# Altium PCB DI544.PcbDoc (part 7 of 7)
Units mil, origin at the board's own origin, x right, y up, seen from the top; angles counter-clockwise.
Board outline 8666.42 x 9192.01 mil, 4 copper layers (Top Layer, Mid-Layer 1, Mid-Layer 2, Bottom Layer), stack 35.6 mil thick; 830 components, 583 nets, 2837 pads, 1326 vias.
Unrouted connection lines stored in the file: 629.
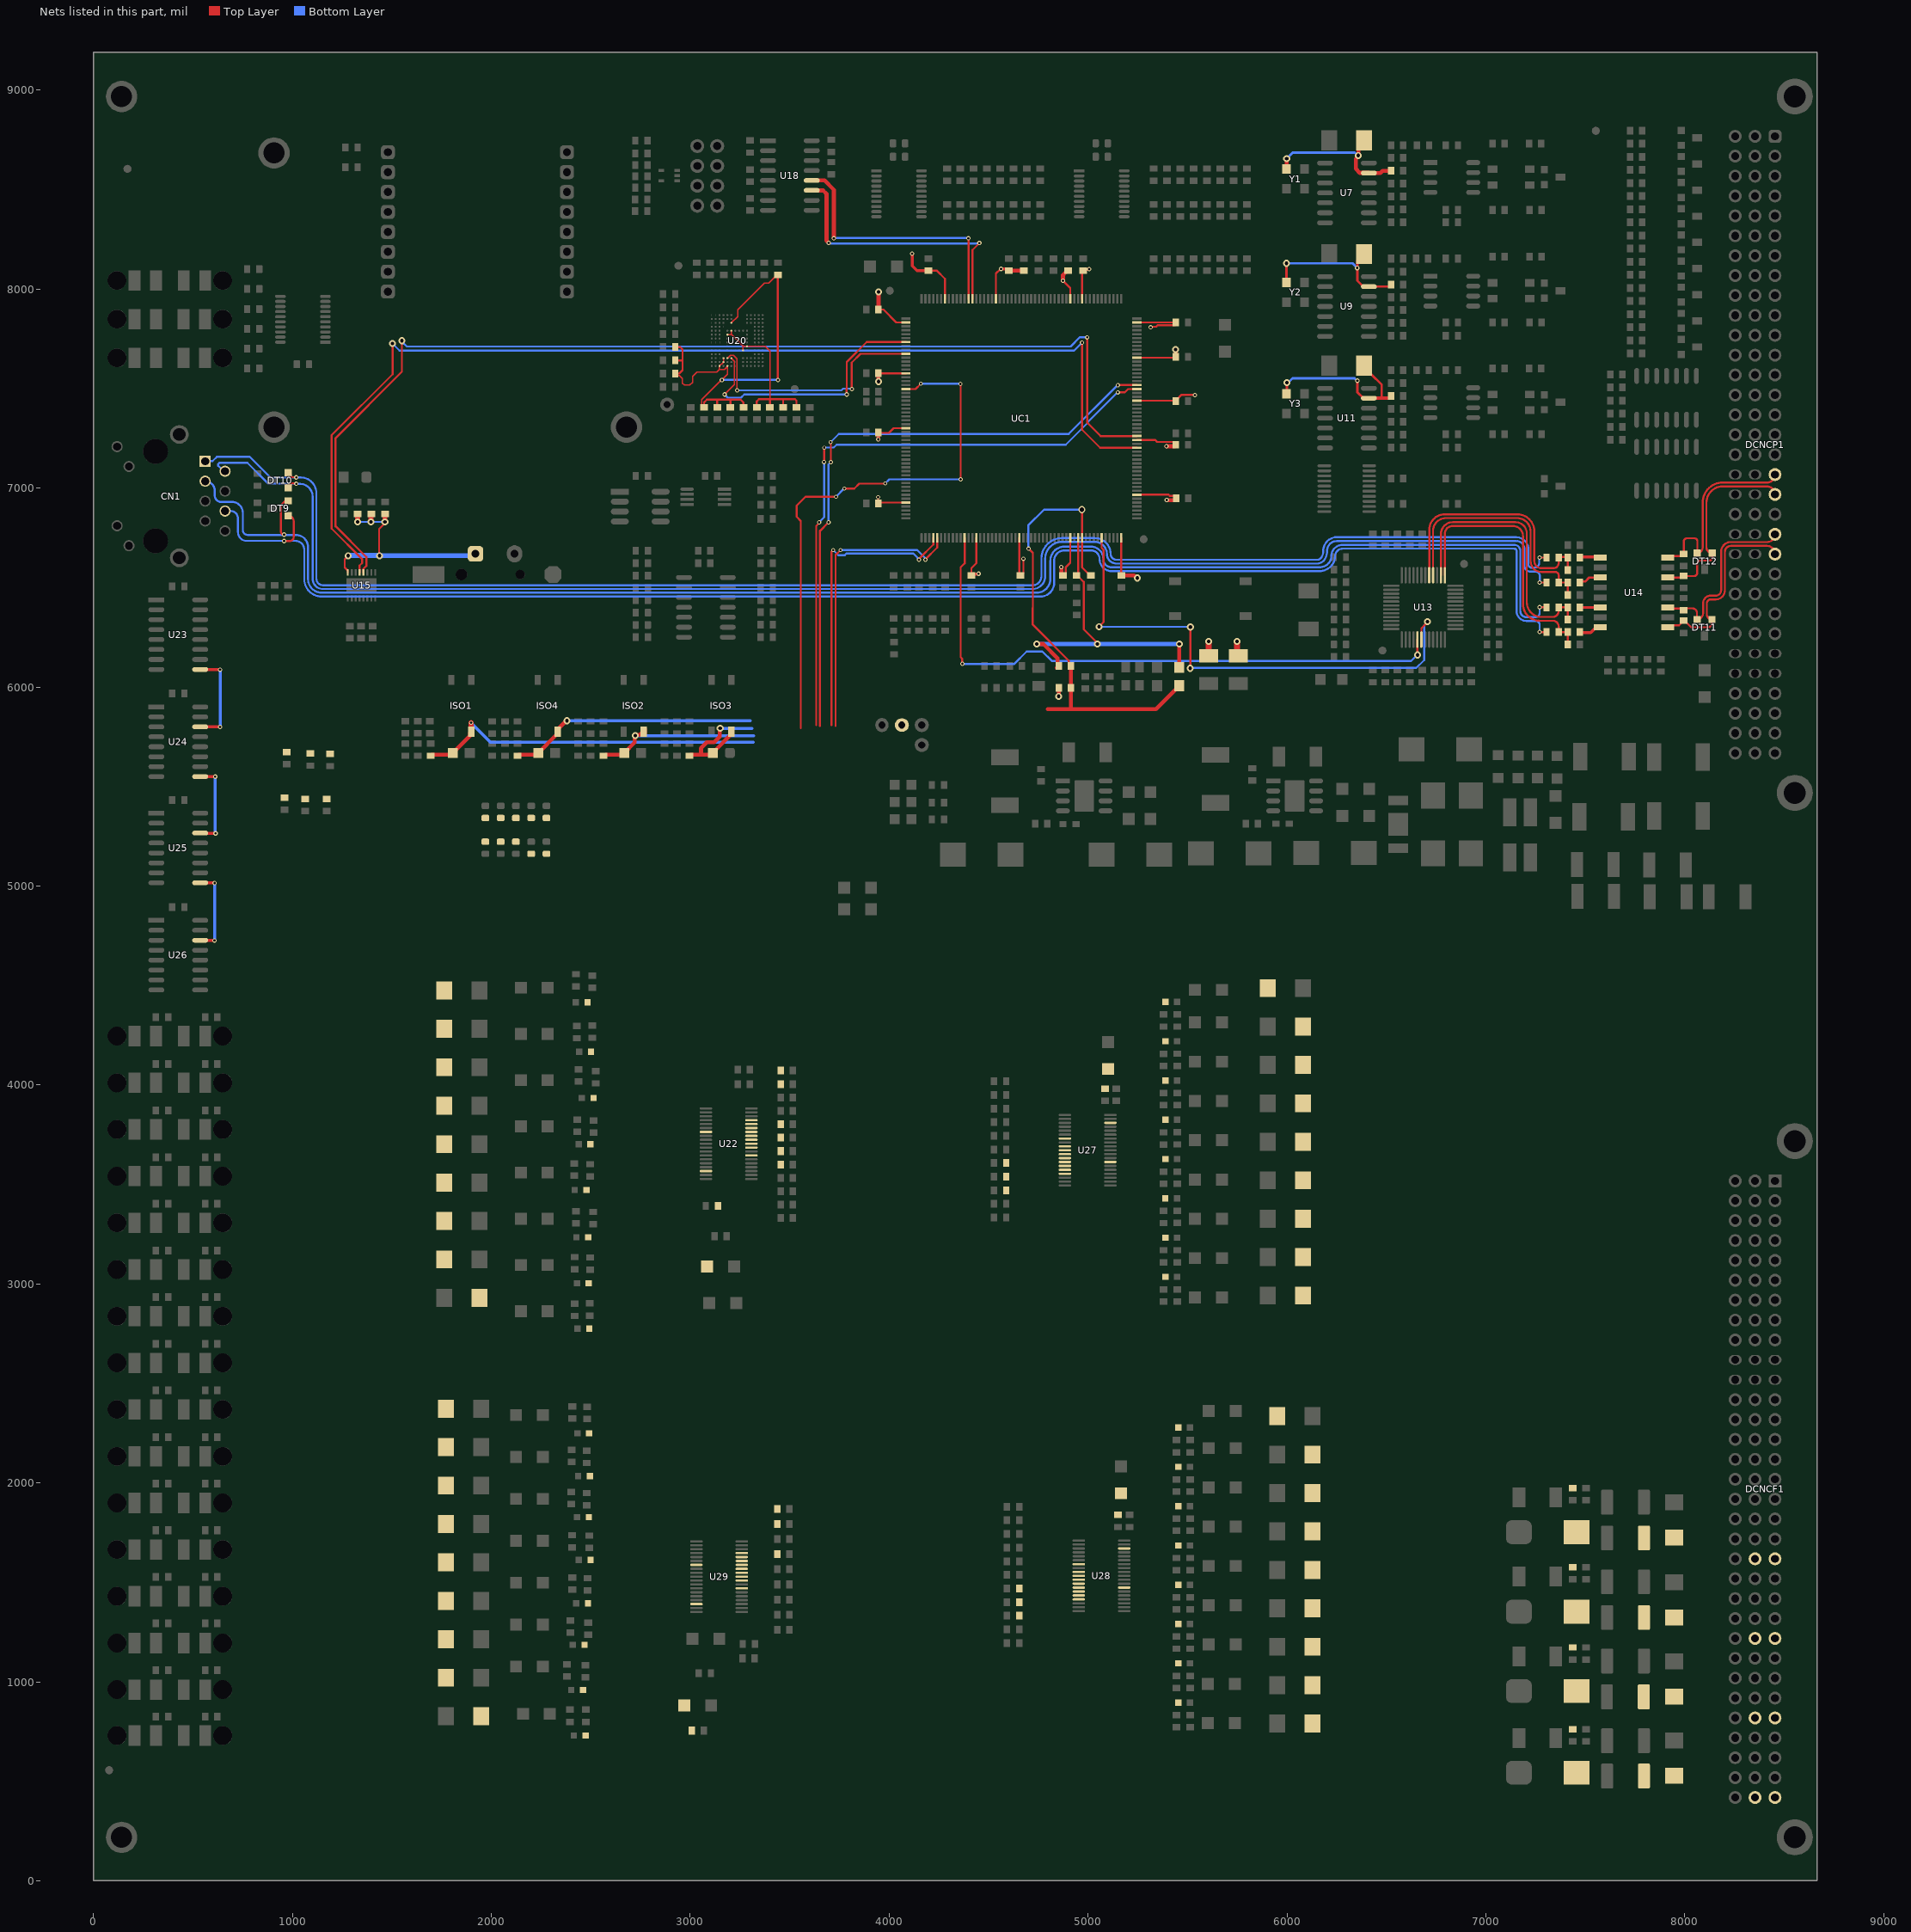
[diagram p9: the nets of this part, all layers, seen from the top]

## Via types
v1: diameter 22, hole 12, Top Layer to Bottom Layer, tented both sides, 440 vias
v2: diameter 32, hole 18, Top Layer to Bottom Layer, tented both sides, 418 vias
v3: diameter 35, hole 18, Top Layer to Bottom Layer, tented both sides, 380 vias
v4: diameter 20, hole 12, Top Layer to Bottom Layer, tented both sides, 52 vias
v5: diameter 24, hole 12, Top Layer to Bottom Layer, tented both sides, 8 vias
v6: diameter 38, hole 18, Top Layer to Bottom Layer, tented both sides, 6 vias
v7: diameter 30, hole 20, Top Layer to Bottom Layer, 4 vias
v8: diameter 39.37, hole 19.68, Top Layer to Bottom Layer, 4 vias
v9: diameter 62.99, hole 31.5, Top Layer to Bottom Layer, tented both sides, 4 vias
v10: diameter 35, hole 19, Top Layer to Bottom Layer, tented both sides, 4 vias
v11: diameter 21, hole 12, Top Layer to Bottom Layer, tented both sides, 3 vias
v12: diameter 35, hole 12, Top Layer to Bottom Layer, tented both sides, 1 vias
v13: diameter 22.01, hole 12, Top Layer to Bottom Layer, tented both sides, 1 vias
v14: diameter 35, hole 22, Top Layer to Bottom Layer, tented both sides, 1 vias

## Nets (pads, with @x,y where several pads share a name; then routed paths per layer and width w, separated by ;. In a path a pad name is that pad's centre, name@x,y a point inside that pad or via, vN(x,y) a via of type N, cw(c..) or ccw(c..) an arc to the next point about the centre after c; other vN are vias at no path point) (continued)
NetU13_41: U13.41 UC1.12 | length 3067.8
  Top Layer w10: v1(4369.09,6117.5) 4366.8,6119.8 4366.8,6143.56 4359.92,6150.44 4359.92,6602.21 4379.76,6622.04 UC1.12@4379.76,6750.34 ; U13.41@6656.29,6239.22 6656.39,6239.11 6656.39,6161.52 v3(6656.5,6161.42)
  Bottom Layer w10: v1@4369.09,6115.5 4630.3,6115.5 ; 4630.3,6117.5 4691.93,6179.13 4770.67,6179.13 4817.89,6131.91 5721.06,6131.91 5721.5,6131.48 6624.66,6131.48 6654.61,6161.42 v3(6656.5,6161.42)
NetU13_42: U13.42 UC1.47 | length 2622.3
  Top Layer w10: v3(5056.1,6303.82) 5056.1,6305.38 5078,6327.28 5078,6690 5068.73,6699.27 UC1.47@5068.73,6750.34 ; v3(5513.78,6094.49) 5514.27,6094.98 5514.27,6301.67 v3(5514.76,6302.17) ; U13.42@6675.97,6239.22 6675.97,6295.55 6706.69,6326.27 v3(6706.69,6328.74)
  Bottom Layer w10: v3(5056.1,6303.82) 5056.93,6302.99 5513.94,6302.99 v3(5514.76,6302.17) ; v3(5513.78,6094.49) 5515.75,6096.46 6650.59,6096.46 6689.96,6135.83 6689.96,6310.38 6706.69,6327.11 v3(6706.69,6328.74)
NetU15_12: U15.12 UC1.74 | length 5559.6
  Top Layer w10: U15.12@1357.67,6575.75 1357.67,6594.97 1372.05,6609.34 1372.05,6653.54 1217.44,6808.15 1217.44,7251.89 1551.18,7585.63 v3(1551.18,7741.14) ; v1(4996,7758) 4996,7329 5062.92,7262.08 5245.82,7262.08 UC1.74@5245.9,7262.15
  Bottom Layer w10: v3(1551.18,7741.14) 1551.18,7735.89 1575.47,7711.6 4912.6,7711.6 4959,7758 v1(4996,7758)
NetU15_13: U15.13 UC1.71 | length 5607.4
  Top Layer w10: U15.13@1337.98,6575.75 1337.98,6610.62 1351.38,6624.02 1351.38,6642.72 1197.44,6796.65 1197.44,7266.34 1503.94,7572.83 v3(1503.94,7726.38) ; v1(4970,7731) 4970,7293.78 5060.73,7203.05 5245.85,7203.05 UC1.71@5245.9,7203.1
  Bottom Layer w10: v3@1494.77,7735.54 1538.72,7691.6 4930.6,7691.6 v1(4970,7731)
NetU20_M5: U20.M5 UC1.166 | length 1216.4
  Top Layer w5.91: U20.M5@3187.29,7653.54 3201.75,7668 3218,7668 3236,7650 v1(3236,7491.92)
  Top Layer w10: v1@3812,7498.36 3812,7631 3856.54,7675.54 UC1.166@4084.48,7675.54
  Bottom Layer w10: v1(3236,7491.92) 3760.62,7491.92 3768.64,7499.94 v1@3802.57,7499.94 ; v1@3809.91,7496.26 v1@3811.82,7498.18
  other v1: 3812.81,7498.18
NetU20_M6: U20.M6 UC1.163 | length 1337.9
  Top Layer w5.91: v1(3172.88,7471) 3223,7521.12 3223,7637.51 U20.M6@3206.97,7653.54
  Top Layer w10: 3786.81,7501.19 3786.81,7471.6 v1(3787.4,7471) ; 3787,7502 3787,7634 3887.59,7734.59 UC1.163@4084.48,7734.59
  Bottom Layer w10: v1(3172.88,7471) 3188.88,7455 3256.18,7455 3272.18,7471 v1@3786,7471
NetU23_9: U23.9 U24.14 | length 488
  Top Layer w15: U24.14@536.81,5800.16 v1(636.81,5800.2) ; U23.9@536.78,6088.85 537.4,6088.22 636.19,6088.22 v1(636.81,6087.6)
  Bottom Layer w15: v1(636.81,5800.2) v1(636.81,6087.6)
NetU24_9: U24.9 U25.14 | length 439.8
  Top Layer w15: U25.14@536.78,5266.35 537.57,5265.56 613.38,5265.56 v1(614.17,5264.76) ; U24.9@536.81,5550.16 v1(612.2,5550.2)
  Bottom Layer w15: v1(612.2,5550.2) 612.2,5270.05 613.22,5269.04 613.22,5265.72 v1(614.17,5264.76)
NetU25_9: U25.9 U26.14 | length 433.2
  Top Layer w15: U26.14@536.78,4727.64 537.41,4727.01 607.64,4727.01 v1(608.27,4726.38) ; U25.9@536.78,5016.35 537.08,5016.05 608.95,5016.05 v1(609.25,5015.75)
  Bottom Layer w15: v1@608.27,4727.73 608.76,4728.22 608.76,5015.26 v1(609.25,5015.75)
os1: C66.2 U7.6 X_C1.1 Y1.3 | length 780.8
  Top Layer w20: Y1.3@5998.76,8604.46 v3(5998.76,8655.76) ; X_C1.1@6388.5,8748.08 6360.27,8719.86 6360.27,8673.27 v3(6359.25,8672.24) 6359.25,8668.19 6346.91,8655.85 6346.91,8604.86 6367.01,8584.77 6411.23,8584.77 U7.6@6412,8584 6470,8584 6481.15,8595.15 C66.2@6524,8595.15
  Bottom Layer w11.81: v3(5998.76,8655.76) 6029.02,8686.02 6340.74,8686.02 6354.52,8672.24 v3(6359.25,8672.24)
os2: C72.2 U9.6 X_C2.1 Y2.3 | length 796.2
  Top Layer w11.81: v3(5998.03,8129.92) 5998.03,8035.26 Y2.3@5998.76,8034.53 ; v5(6353,8107) 6354.4,8105.6 6354.4,8042.6 6384,8013 U9.6@6412,8013 6513.91,8013 6524,8023.09 C72.2@6524,8023.89 ; v5@6354.4,8107 6354.4,8142.98 X_C2.1@6388.5,8177.08
  Bottom Layer w11.81: v3(5998.03,8129.92) 6330.08,8129.92 v5(6353,8107)
os3: C78.2 U11.6 X_C3.1 Y3.3 | length 871.5
  Top Layer w11.81: Y3.3@5998.76,7474.94 6000,7476.19 v3(6000,7530.19) ; v1(6354.33,7540.35) 6354.33,7481.67 6384,7452 U11.6@6432.6,7452 ; X_C3.1@6388.5,7616 6388.5,7606 6422.59,7571.91 6424.72,7571.91 6477,7519.63 6477,7452 ; C78.2@6513.91,7452 6524,7462.09 C78.2@6524,7462.78
  Top Layer w17: U11.6@6432.6,7452 6477,7452 C78.2@6513.91,7452
  Bottom Layer w11.81: v3(6000,7530.19) 6005.97,7530.19 6027.89,7552.11 6339.82,7552.11 6351.57,7540.35 v1(6354.33,7540.35)
RD1_N: R131.2 U14.8 | length 116.1
  Top Layer w15: R131.2@7469.65,6273.62 7527.56,6273.62 7547.32,6293.38 7567,6293.38 U14.8@7574.46,6300.84
RD1_P: R130.2 U14.6 | length 101.2
  Top Layer w12: R130.2@7473.25,6400.84 U14.6@7574.46,6400.84
RD2_N: CN1.6 DT9.1 R108.2 | length 7851.2
  Top Layer w10: v1(958.66,6734.25) 986.22,6734.25 ccw(c986.22,6754.92) 1006.89,6754.92 1006.89,6833.28 ccw(c978.89,6833.28) DT9.1@978.89,6861.28 ; v1(7270.67,6276.57) 7305.06,6276.57 R108.2@7305.06,6276.74
  Bottom Layer w10: CN1.6@661.86,6884.84 689.96,6884.84 cw(c689.96,6848.13) 726.68,6848.13 726.68,6778.91 ccw(c770.59,6778.91) 770.59,6735 958.66,6735 1015.59,6735 cw(c1015.59,6690.59) 1060,6690.59 1060,6543 ccw(c1147.59,6543) 1147.59,6455.41 4761.27,6455.41 ccw(c4761.27,6524.14) 4830,6524.14 4830,6544 4830,6635.19 cw(c4881.81,6635.19) 4881.81,6687 5015,6687 cw(c5015,6644) 5058,6644 ccw(c5119,6644) 5119,6583 6162,6583 6162.13,6583 ccw(c6162.13,6666.87) 6221.44,6607.56 ccw(c6172.15,6656.85) 6241.85,6656.85 cw(c6281,6656.85) 6281,6696 7142.58,6696 cw(c7142.58,6684.06) 7154.53,6684.06 7154.53,6381.8 ccw(c7203.43,6381.8) 7203.43,6332.91 7250.76,6332.91 cw(c7250.76,6312.99) 7270.67,6312.99 v1(7270.67,6276.57)
RD2_P: CN1.3 DT9.2 R107.2 | length 8051.9
  Top Layer w10: v1@958.66,6765.75 cw(c958.66,6781.5) 942.91,6781.5 942.91,6900.31 cw(c978.89,6900.31) DT9.2@978.89,6936.28 ; v1(7270.67,6401.57) 7305.06,6401.57 R107.2@7305.06,6401.31
  Bottom Layer w10: CN1.3@561.86,7034.89 cw(c561.86,6986.51) 610.24,6986.51 610.24,6961.61 ccw(c640.75,6961.61) 640.75,6931.1 695.87,6931.1 cw(c695.87,6875.98) 750.98,6875.98 750.98,6789.03 ccw(c775.01,6789.03) 775.01,6765 1017.71,6765 cw(c1017.71,6703.71) 1079,6703.71 1079,6543 ccw(c1147.59,6543) 1147.59,6474.41 4741.41,6474.41 ccw(c4741.41,6544) 4811,6544 4811,6635.19 cw(c4881.81,6635.19) 4881.81,6706 5015,6706 cw(c5015,6644) 5077,6644 ccw(c5119,6644) 5119,6602 6162.04,6602 6162.13,6602 ccw(c6162.13,6666.87) 6208,6621 ccw(c6172.15,6656.85) 6222.85,6656.85 cw(c6281,6656.85) 6281,6715 7142.58,6715 cw(c7142.58,6684.06) 7173.53,6684.06 7173.53,6381.8 ccw(c7203.43,6381.8) 7203.43,6351.91 7249.54,6351.91 ccw(c7249.54,6373.03) 7270.67,6373.03 v1(7270.67,6401.57)
  other v1: 958.66,6766.73
RD_N: R101.1 R108.1 R131.1 U13.13 | length 1374.6
  Top Layer w10: U13.13@6794.08,6562.05 6793.74,6562.39 6793.74,6770.04 cw(c6833.69,6770.09) 6833.69,6810.04 7135.36,6810.04 cw(c7135.36,6758.39) 7187.01,6758.39 7187.01,6417.87 ccw(c7271.21,6417.76) 7275.38,6333.66 7337.35,6333.66 cw(c7337.35,6304.95) 7366.06,6304.95 R108.1@7366.06,6276.74 R131.1@7412.25,6276.74 R101.1@7412.25,6214.46
RD_P: R100.1 R107.1 R130.1 U13.14 | length 1377.4
  Top Layer w10: U13.14@6774.4,6562.05 6774.74,6562.39 6774.74,6770.09 cw(c6833.69,6770.09) 6833.69,6829.04 7148.68,6829.04 cw(c7148.68,6771.71) 7206.01,6771.71 7206.01,6426.29 ccw(c7280.33,6426.45) 7271.46,6352.66 7336.54,6352.66 ccw(c7336.54,6382.18) 7366.06,6382.18 R107.1@7366.06,6401.31 R130.1@7412.25,6401.31 7412.25,6359.64
RDB_N: DCNCP1.A22 DT11.1 R127.1 U14.9 | length 981.5
  Top Layer w10: U14.9@7914.46,6300.84 7924.22,6310.59 7972.14,6310.59 7980.6,6319.05 7980.6,6322.55 7991.6,6333.55 R127.1@7995.1,6333.55 ; R127.1@8003.88,6329.39 8032.1,6301.18 8124.02,6301.18 8135.9,6313.07 8135.9,6339.65 8136.46,6340.21 cw(c8136.46,6365.45) 8111.22,6365.45 8111.22,6421.26 cw(c8130.61,6421.26) 8130.61,6440.65 8155.51,6440.65 ccw(c8155.51,6487.13) 8202,6487.13 8202,6680 cw(c8232,6680) 8232,6710 8412.28,6710 cw(c8412.28,6668.5) DCNCP1.A22@8453.78,6668.5
RDB_P: DCNCP1.A21 DT11.2 R126.1 U14.11 | length 945.1
  Top Layer w10: U14.11@7914.46,6400.84 7920.62,6394.69 7987.11,6394.69 R126.1@7995.1,6386.7 cw(c8004.06,6386.7) 8004.06,6395.67 8039.37,6395.67 cw(c8039.37,6373.57) 8061.46,6373.57 8061.46,6340.21 ccw(c8061.46,6370.97) 8092.22,6370.97 8092.22,6421.26 cw(c8130.61,6421.26) 8130.61,6459.65 8155.51,6459.65 ccw(c8155.51,6487.13) 8183,6487.13 8183,6680 cw(c8232,6680) 8232,6729 8414.28,6729 ccw(c8414.28,6768.5) DCNCP1.A21@8453.78,6768.5
RET24F-1: C58.2 C119.2 C120.2 C122.1 C140.1 CP2.2 D1_F.2 D2_F.2 D3_F.2 D4_F.2 D5_F.2 D6_F.2 D7_F.2 D8_F.2 D29.K D30.K D37.A D39.K D40.K D41.K D42.K D43.K D44.K DCNCF1.A32 DCNCF1.B32 DT13.A ISO1.2 LEDF1.K U28.7 U28.17 | length 1765.5
  Top Layer w20: C120.2@1695.83,5654.76 1701.51,5660.43 1798.31,5660.43 LEDF1.K@1807.13,5669.26 1893.88,5756.01 1893.88,5770.52 ISO1.2@1899.63,5776.27
  Top Layer w25: ISO1.2@1898.66,5777.23 v4(1898.66,5820.87)
  Bottom Layer w15: v4(1898.66,5820.87) 1997.53,5722 3317,5722
RET24F-2: C59.2 C126.1 C150.2 C151.2 C152.1 CP1.2 D9_F.2 D10_F.2 D11_F.2 D12_F.2 D13_F.2 D14_F.2 D15_F.2 D16_F.2 D18.K D19.K D23.K D24.K D25.K D26.K D27.K D28.K D36.A DCNCF1.A28 DCNCF1.B28 DT14.A ISO2.2 LEDF2.K U27.7 U27.17 | length 865.9
  Top Layer w15: ISO2.2@2757.48,5758.18 2757.91,5758.18 ISO2.2@2770.4,5770.67
  Top Layer w20: C151.2@2576.34,5660.83 2660.13,5660.83 LEDF2.K@2668.57,5669.26 2721.13,5721.82 2721.13,5754.13 v3(2724,5757) ; v3@2726.87,5758.87 2744.27,5758.87 ISO2.2@2750.53,5765.13
  Top Layer w25: ISO2.2@2769.4,5770.67 ISO2.2@2769.4,5789.36
  Bottom Layer w15: v3(2724,5757) 2725,5756 3320,5756
RET24F-3: C60.2 C155.2 C156.2 C157.1 C203.1 CP4.2 D58.2 D59.2 D60.2 D61.2 D62.2 D63.2 D64.2 D65.2 D67.A D68.K D69.K D70.K D71.K D72.K D73.K D74.K D75.K DCNCF1.A24 DCNCF1.B24 DT15.A ISO3.2 LEDF3.K U29.7 U29.17 | length 622
  Top Layer w20: C156.2@2996.7,5654.76 3002.7,5660.76 3054.46,5660.76 ; LEDF3.K@3114.72,5669.26 3106.22,5660.76 3054.46,5660.76 ; LEDF3.K@3114.75,5669.26 3129.72,5684.23 3129.72,5684.97 3201.48,5756.72 3201.48,5770.52 ISO3.2@3207.23,5776.27 ; v3(3151,5793) 3148.13,5790.13 3148.13,5750.56 3121.05,5723.48 3084.54,5723.48 3054.46,5693.4 3054.46,5660.76
  Bottom Layer w15: v3(3151,5793) 3310,5793
RET24F-4: C61.2 C160.2 C161.2 C162.1 C189.1 CP3.2 D20.2 D21.2 D22.2 D31.2 D32.2 D33.2 D34.2 D35.2 D38.A D45.K D46.K D52.K D54.K D55.K D56.K D57.K D66.K DCNCF1.A20 DCNCF1.B20 DT16.A ISO4.2 LEDF4.K U22.7 U22.17 | length 1258.9
  Top Layer w20: C161.2@2132.42,5654.76 2138.42,5660.76 2153.58,5660.76 2153.64,5660.81 2227.86,5660.81 LEDF4.K@2236.31,5669.26 2327.74,5760.69 2327.74,5760.88 2329.13,5762.27 2333.49,5762.27 ISO4.2@2333.49,5776.47 ; ISO4.2@2332.76,5775.65 2332.76,5785.58 2378.18,5831 v3(2380,5831)
  Bottom Layer w15: v3(2380,5831) 3303,5831
RX: U18.12 UC1.144 | length 1357.4
  Top Layer w10: v1(4399,8255.85) 4399.22,8255.63 4399.22,7969.75 4399.44,7969.53 UC1.144@4399.44,7951.13
  Top Layer w20: U18.12@3611.19,8546.51 3675.5,8546.51 3722.44,8499.57 v1(3722.44,8255.85)
  Bottom Layer w10: v1(3722.44,8255.85) 3724.32,8257.73 4397.12,8257.73 v1(4399,8255.85)
SPI4_BURST: R221.1 R232.1 R345.1 U22.29 U27.29 U28.29 U29.29 | length 0.3
  Top Layer w19.68: R232.1@2124.25,5223 R232.1@2124.44,5223.19
SPI4_CS1: R249.2 U28.32 UC1.87 | length 3108.6
  Top Layer w10: 3652.82,6785.48 v1(3695.76,6828.41) ; 3652.84,5805 3652.84,6785.46 ; v4@3704.72,7229.33 3704.72,7226.62 3707.16,7224.18 v1(3707.16,7130.67) ; v1(5150.02,7518) 5150.08,7518.06 UC1.87@5245.9,7518.06
  Bottom Layer w10: v1(3695.76,6828.41) 3695.76,7118.82 3707.16,7130.22 v1(3707.16,7130.67) ; v4@3704.72,7229.33 v4(3706.69,7231.3) 3747.24,7271.85 4902.85,7271.85 5149,7518 v1(5150.02,7518)
SPI4_CS2: R222.2 U27.32 UC1.175 | length 2762.7
  Top Layer w9.84: 3556.2,5793 3556.2,6834.8 3535.08,6855.92 3535.08,6912.42 3579.66,6957 3722,6957 ; v4(3775.18,6998.18) 3825.18,6998.18 3850,7023 3980.08,7023 v4(3981,7023.92) ; UC1.175@4084.48,7498.37 4132.98,7498.37 4159.61,7525 v4(4160,7525) ; v4(4359,7524) 4359.5,7523.5 4359.5,7044.5 v4(4360,7044)
  Bottom Layer w9.84: v4(3733,6957) v4@3774.68,6998.68 ; v4(3981,7023.92) 4001.08,7044 v4(4360,7044) ; v4(4160,7525) 4160.5,7524.5 4358.5,7524.5 v4(4359,7524)
SPI4_CS3: R362.2 R386.2 U29.32
SPI4_CS4: R86.2 R390.2 U22.32
SPI4_FAULT: R219.1 R231.2 R344.2 U22.26 U27.26 U28.26 U29.26 | length 0.1
  Top Layer w19.68: R231.2@1970.69,5223.06 R231.2@1970.75,5223
SPI4_INT1: R178.2 R257.2 U28.31 | length 3.5
  Top Layer w9.84: R178.2@2277.75,5342.19 R178.2@2281.25,5342.19
SPI4_INT2: R180.2 R230.2 U27.31 | length 8
  Top Layer w9.84: R180.2@2201,5162 R180.2@2206.63,5156.37
SPI4_INT3: R364.2 R387.2 U29.31
SPI4_INT4: R343.2 R391.2 U22.31
SPI4_MISO: U22.35 U27.35 U28.35 U29.35 UC1.4 | length 1483.3
  Top Layer w9.84: 3710.69,5808 3710.69,6680.23 ; 3710.82,6680.23 v4(3719.59,6689)
  Top Layer w10: v1@4152.15,6641.31 4152.15,6646.66 4222.28,6716.78 UC1.4@4222.28,6750.34
  Bottom Layer w10: v4(3719.59,6689) 3745.59,6663 3777,6663 3785.5,6671.5 4122.16,6671.5 4143.13,6650.53 4143.13,6649.74 v1@4152.54,6640.33
  other v1: 4149.86,6639.76
SPI4_MOSI: U22.34 U27.34 U28.34 U29.34 UC1.5 | length 1480.2
  Top Layer w9.84: 3731,5804 3731,6664 v4(3755.47,6688.47)
  Top Layer w10: v1(4182.59,6639.76) 4182.59,6642.44 4242,6701.84 UC1.5@4241.96,6750.34 UC1.5@4241.96,6750.34
  Bottom Layer w10: v4(3755.47,6688.47) 3756.38,6689.38 4140.85,6689.38 v1@4186.53,6643.7
SPI4_RST: R132.2 R220.1 R223.2 U22.30 U27.30 U28.30 U29.30 | length 0.1
  Top Layer w19.68: R223.2@2047.5,5223 R223.2@2047.57,5223.06
SPI4_SCK: U22.33 U27.33 U28.33 U29.33 UC1.86 | length 3111.8
  Top Layer w10: 3633.52,5809 3633.52,6810.06 3648.21,6824.75 v1(3648.21,6828) ; v1(3672.78,7131.43) 3673.5,7132.15 3673.5,7203.02 v4(3674.21,7203.74) ; v1(5149.97,7481.39) 5185.33,7481.39 5202,7498.06 ; 5202,7498.37 UC1.86@5245.9,7498.37
  Bottom Layer w10: v1(3648.21,6828) 3674.21,6854 3674.21,7130 v1(3672.78,7131.43) ; v4@3674.21,7203.76 3721.48,7203.76 3736.22,7218.5 4888.5,7218.5 4998.38,7328.38 4998.38,7332.03 v1@5151.68,7485.32
SPI4_Sync1: R177.1 R251.2 U28.28 | length 3.5
  Top Layer w9.84: R177.1@2197.5,5342.19 R177.1@2201,5342.19
SPI4_Sync2: R179.2 R224.2 U27.28 | length 3
  Top Layer w9.84: R179.2@2275.63,5159.88 R179.2@2277.75,5162
SPI4_Sync3: R363.2 R388.2 U29.28
SPI4_Sync4: R336.2 R389.2 U22.28
TD1_N: R129.2 U14.3 | length 111.6
  Top Layer w12: R129.2@7473.25,6525.88 7478.1,6530.73 7500.22,6530.73 7520.33,6550.84 U14.3@7574.46,6550.84
TD1_P: R128.2 U14.1 | length 103.1
  Top Layer w17: R128.2@7473.25,6654.15 7571.16,6654.15 cw(c7571.16,6650.84) U14.1@7574.46,6650.84
TD2_N: CN1.2 DT10.1 R106.2 | length 7788.2
  Top Layer w10: DT10.1@978.81,7002.21 991.81,7015.21 991.81,7021.52 995.01,7024.71 1005.95,7024.71 1007.38,7023.29 1018.56,7023.29 v1(1020.02,7021.83) ; v1@7272.64,6525.59 7294.3,6525.59 R106.2@7305.06,6536.35
  Bottom Layer w10: CN1.2@661.86,7084.89 655.05,7084.89 627.69,7112.25 627.69,7122.03 633.55,7127.89 773.49,7127.89 878.55,7022.83 v1@1020.02,7022.83 ; v1(1020.02,7021.83) 1020.77,7021.08 1039.43,7021.08 cw(c1039.43,6958.52) 1102,6958.52 1102,6545 ccw(c1154,6545) 1154,6493 4720.4,6493 ccw(c4720.4,6557.6) 4785,6557.6 4785,6646 cw(c4869,6646) 4869,6730 5034,6730 cw(c5034,6669) 5095,6669 ccw(c5143,6669) 5143,6621 6153.06,6621 ccw(c6153.14,6662.16) 6182.94,6633.77 ccw(c6133.47,6680.87) 6201.73,6683.3 ccw(c6133.47,6680.87) 6201.71,6683.8 cw(c6211.71,6684.17) 6201.71,6684.01 cw(c6251.19,6684.52) 6251.19,6734 7153.8,6734 cw(c7153.8,6692.91) 7194.88,6692.91 7194.88,6609.25 ccw(c7223.43,6609.25) 7223.43,6580.71 7248.03,6580.71 cw(c7248.03,6557.09) 7271.65,6557.09 v1@7271.65,6526.58
  other v1: 7270.67,6525.59
TD2_P: CN1.1 DT10.2 R105.2 | length 7803.1
  Top Layer w10: DT10.2@978.81,7077.21 991.81,7064.21 991.81,7060.57 997.67,7054.71 1019.14,7054.71 v1(1020.02,7053.83) ; v1(7270.67,6650.59) 7301.5,6650.59 R105.2@7305.06,6654.15
  Bottom Layer w10: CN1.1@561.86,7134.89 562.74,7135.77 599,7135.77 621.12,7157.89 785.91,7157.89 890.97,7052.83 1019.02,7052.83 v1(1020.02,7053.83) ; v1@1024.77,7051.68 1026.96,7053.87 1041.47,7053.87 cw(c1041.47,6974.34) 1121,6974.34 1121,6545 ccw(c1154,6545) 1154,6512 4720.4,6512 ccw(c4720.4,6557.6) 4766,6557.6 4766,6642.72 4767.03,6660.54 cw(c4869,6646) 4869,6749 5034,6749 cw(c5034,6669) 5114,6669 ccw(c5143,6669) 5143,6640 6142.74,6640 6153.02,6640 ccw(c6153.02,6670.05) 6153.95,6640.01 6154.08,6640.02 ccw(c6153.14,6662.16) 6169.22,6646.91 ccw(c6133.47,6680.87) 6182.73,6683.08 ; 6182.71,6683.82 cw(c6251.19,6684.52) 6190.17,6715.6 ccw(c6181.24,6720.11) 6190.26,6715.79 cw(c6249.04,6687.97) 6190.39,6716.06 cw(c6249.04,6687.97) 6238.48,6752.14 6241.16,6753 7153.8,6753 cw(c7153.8,6692.91) 7213.88,6692.91 7213.88,6617.81 ccw(c7231.98,6617.81) 7231.98,6599.71 7242.72,6599.71 ccw(c7242.72,6625.74) 7268.76,6625.74 7268.76,6648.68 v1(7270.67,6650.59)